# KiCad board output.Panel_R0.5.1_300x300_2layer_step1_Modified.kicad_pcb (continued)
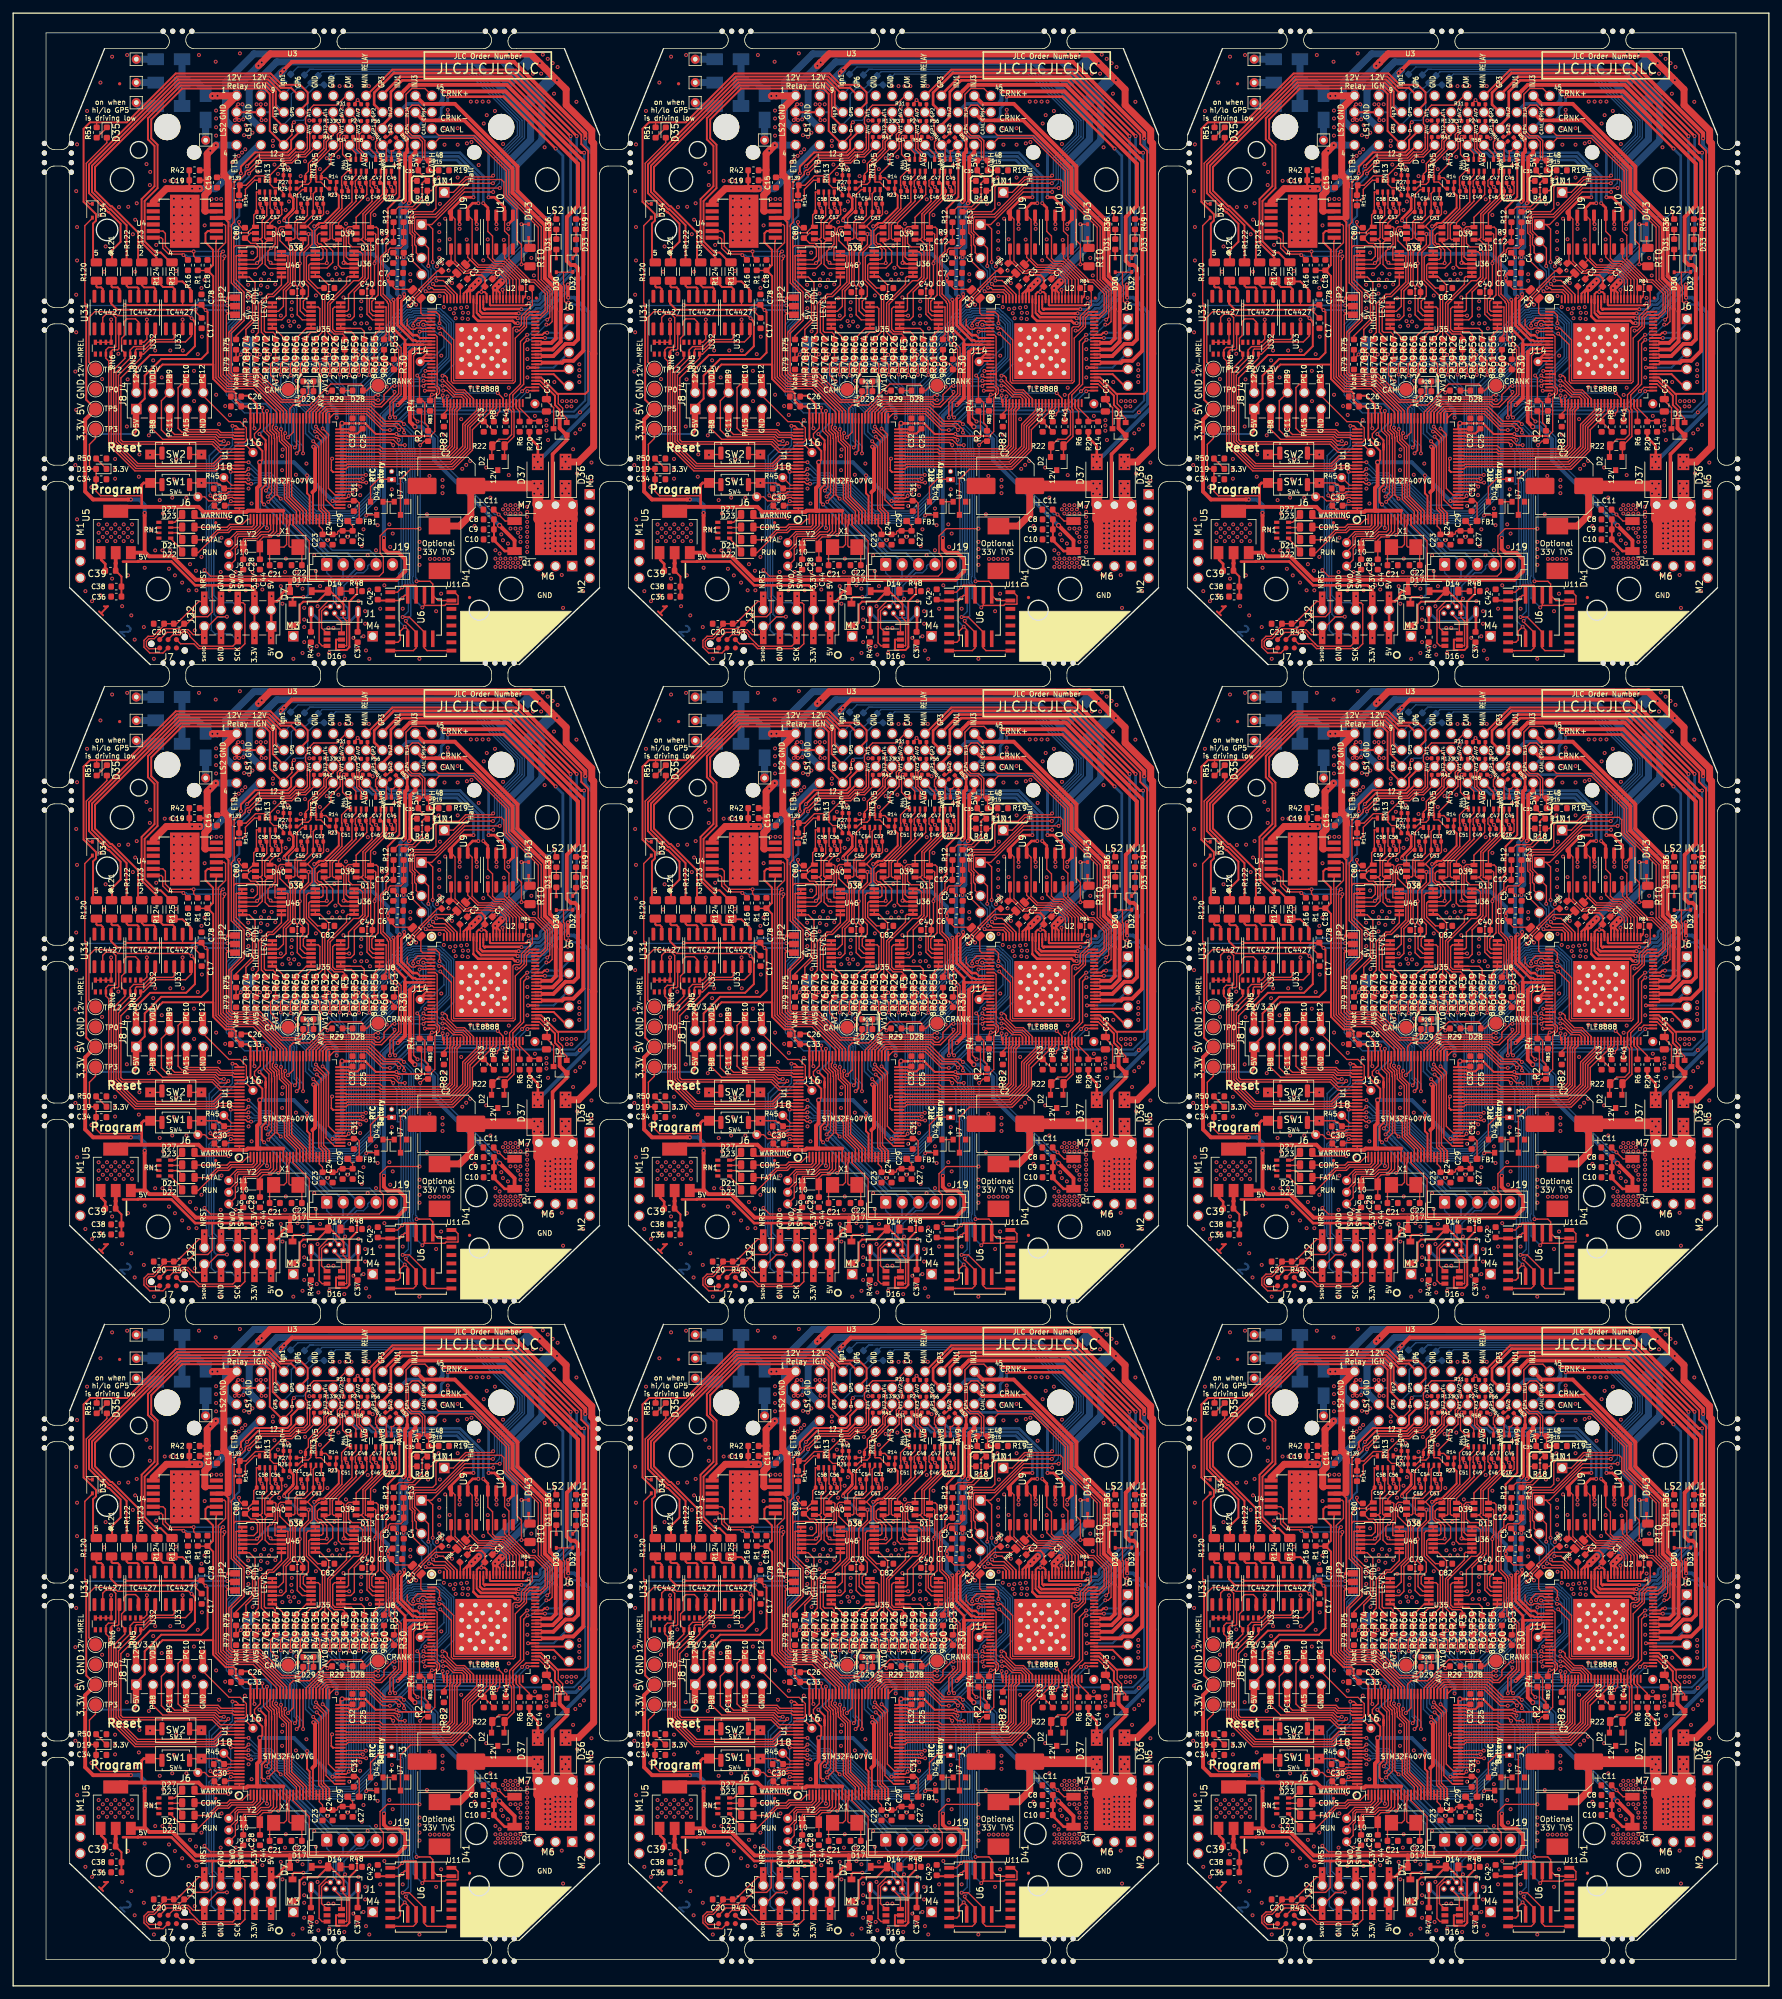
[diagram p0: board, top side]
## Routing (per net, layer and track width the routed paths; a pad name or vN(x,y) marks a point on that pad's centre or on a via; arc(x,y) is an arc through that point) (continued)
v1(153.9,134.3) v1(153.9,111.1) v1(153.9,108.8) v1(153.9,106.3) v1(153.9,37.3) v1(153.9,14.1) v1(153.9,11.8) v1(153.9,9.3) v1(154,280.2) v1(153.98,265.56) v1(154,255.3) v1(154.03,202.06) v1(154,183.2) v1(153.98,168.56) v1(154,158.3) v1(154.03,105.06) v1(154,86.2) v1(153.98,71.56) v1(154,61.3) v1(154.03,8.06) v1(154.2,254.41) v1(154.15,253.47) v1(154.2,157.41) v1(154.15,156.47) v1(154.2,60.41) v1(154.15,59.47) v1(154.5,231.9) v1(154.5,134.9) v1(154.5,37.9) v1(154.6,286.55) v1(154.56,243.16) v1(154.6,189.55) v1(154.56,146.16) v1(154.6,92.55) v1(154.56,49.16) v1(154.7,280.4) v1(154.7,183.4) v1(154.7,86.4) v1(155.17,222) v1(155.17,125) v1(155.17,28) v1(155.5,286.55) v1(155.5,267.2) v1(155.5,189.55) v1(155.5,170.2) v1(155.5,92.55) v1(155.5,73.2) v1(155.6,243.16) v1(155.6,146.16) v1(155.6,49.16) v1(155.8,276.9) v1(155.8,179.9) v1(155.8,82.9) v1(156.4,286.55) v1(156.4,189.55) v1(156.4,92.55) v1(156.49,262.42) v1(156.49,165.42) v1(156.49,68.42) v1(156.57,283.22) v1(156.57,186.22) v1(156.57,89.22) v1(156.95,230.89) v1(156.95,133.89) v1(156.95,36.89) v1(157.02,284.49) v1(157,243.16) v1(157.02,187.49) v1(157,146.16) v1(157.02,90.49) v1(157,49.16) v1(157.18,265.59) v1(157.18,168.59) v1(157.18,71.59) v1(157.3,286.55) v1(157.3,189.55) v1(157.3,92.55) v1(157.58,226.32) v1(157.58,129.32) v1(157.58,32.32) v1(158.27,285.12) v1(158.34,218.32) v1(158.34,217.05) v1(158.34,215.78) v1(158.27,188.12) v1(158.34,121.32) v1(158.34,120.05) v1(158.34,118.78) v1(158.27,91.12) v1(158.34,24.32) v1(158.34,23.05) v1(158.34,21.78) v1(158.5,267.2) v1(158.5,170.2) v1(158.5,73.2) v1(158.6,243.11) v1(158.6,146.11) v1(158.6,49.11) v1(158.72,216.42) v1(158.72,119.42) v1(158.72,22.42) v1(158.98,217.81) v1(158.98,120.81) v1(158.98,23.81) v1(159.11,217.05) v1(159.11,215.78) v1(159.11,120.05) v1(159.11,118.78) v1(159.11,23.05) v1(159.11,21.78) v1(159.23,220.73) v1(159.23,123.73) v1(159.23,26.73) v1(159.3,203.3) v1(159.3,106.3) v1(159.3,9.3) v1(159.5,280.1) v1(159.49,224.54) v1(159.49,219.84) v1(159.49,216.42) v1(159.5,183.1) v1(159.49,127.54) v1(159.49,122.84) v1(159.49,119.42) v1(159.5,86.1) v1(159.49,30.54) v1(159.49,25.85) v1(159.49,22.42) v1(159.61,265.51) v1(159.61,168.51) v1(159.61,71.51) v1(159.92,241.94) v1(159.87,225.18) v1(159.87,223.91) v1(159.87,217.05) v1(159.87,215.78) v1(159.92,144.94) v1(159.87,128.18) v1(159.87,126.91) v1(159.87,120.05) v1(159.87,118.78) v1(159.92,47.94) v1(159.87,31.18) v1(159.87,29.91) v1(159.87,23.05) v1(159.87,21.78) v1(160.25,224.54) v1(160.25,219.34) v1(160.25,216.42) v1(160.25,127.54) v1(160.25,122.34) v1(160.25,119.42) v1(160.25,30.54) v1(160.25,25.34) v1(160.25,22.42) v1(160.3,267.2) v1(160.3,170.2) v1(160.3,73.2) v1(160.38,243.04) v1(160.38,229.75) v1(160.38,146.04) v1(160.38,132.75) v1(160.38,49.04) v1(160.38,35.75) v1(160.63,225.18) v1(160.63,223.91) v1(160.63,221.62) v1(160.63,217.05) v1(160.63,215.78) v1(160.63,128.18) v1(160.63,126.91) v1(160.63,124.62) v1(160.63,120.05) v1(160.63,118.78) v1(160.63,31.18) v1(160.63,29.91) v1(160.63,27.62) v1(160.63,23.05) v1(160.63,21.78) v1(161.01,224.54) v1(161.01,216.42) v1(161.01,127.54) v1(161.01,119.42) v1(161.01,30.54) v1(161.01,22.42) v1(161.39,225.18) v1(161.39,223.91) v1(161.39,221.62) v1(161.39,217.05) v1(161.39,215.78) v1(161.39,128.18) v1(161.39,126.91) v1(161.39,124.62) v1(161.39,120.05) v1(161.39,118.78) v1(161.39,31.18) v1(161.39,29.91) v1(161.39,27.62) v1(161.39,23.05) v1(161.39,21.78) v1(161.77,224.54) v1(161.77,220.99) v1(161.77,216.42) v1(161.77,127.54) v1(161.77,123.99) v1(161.77,119.42) v1(161.77,30.54) v1(161.77,26.99) v1(161.77,22.42) v1(161.9,205.7) v1(161.9,108.7) v1(161.9,11.7) v1(162.15,225.18) v1(162.15,223.91) v1(162.15,221.62) v1(162.15,220.35) v1(162.15,219.59) v1(162.15,217.05) v1(162.15,215.78) v1(162.15,128.18) v1(162.15,126.91) v1(162.15,124.62) v1(162.15,123.35) v1(162.15,122.59) v1(162.15,120.05) v1(162.15,118.78) v1(162.15,31.18) v1(162.15,29.91) v1(162.15,27.62) v1(162.15,26.35) v1(162.15,25.59) v1(162.15,23.05) v1(162.15,21.78) v1(163.2,248.9) v1(163.2,247.4) v1(163.2,244.6) v1(163.17,224.93) v1(163.17,224.16) v1(163.17,223.4) v1(163.17,222.64) v1(163.17,221.88) v1(163.17,221.12) v1(163.17,220.35) v1(163.17,219.59) v1(163.17,218.83) v1(163.17,218.07) v1(163.2,151.9) v1(163.2,150.4) v1(163.2,147.6) v1(163.17,127.93) v1(163.17,127.16) v1(163.17,126.4) v1(163.17,125.64) v1(163.17,124.88) v1(163.17,124.12) v1(163.17,123.35) v1(163.17,122.59) v1(163.17,121.83) v1(163.17,121.07) v1(163.2,54.9) v1(163.2,53.4) v1(163.2,50.6) v1(163.17,30.93) v1(163.17,30.16) v1(163.17,29.4) v1(163.17,28.64) v1(163.17,27.88) v1(163.17,27.12) v1(163.17,26.35) v1(163.17,25.59) v1(163.17,24.83) v1(163.17,24.07) v1(163.4,256.7) v1(163.4,159.7) v1(163.4,62.7) v1(163.81,262.77) v1(163.81,165.77) v1(163.81,68.77) v1(164.05,290.8) v1(164.05,193.8) v1(164.05,96.8) v1(164.19,260.1) v1(164.19,163.1) v1(164.19,66.1) v1(164.35,238.75) v1(164.35,141.75) v1(164.35,44.75) v1(164.6,208.2) v1(164.6,111.2) v1(164.6,14.2) v1(165.3,290.8) v1(165.3,193.8) v1(165.3,96.8) v1(165.55,293.7) v1(165.63,214.56) v1(165.55,196.7) v1(165.63,117.56) v1(165.55,99.7) v1(165.63,20.56) v1(165.82,279.6) v1(165.82,182.6) v1(165.82,85.6) v1(166.1,238.1) v1(166.1,237.3) v1(166.1,236.5) v1(166.1,141.1) v1(166.1,140.3) v1(166.1,139.5) v1(166.1,44.1) v1(166.1,43.3) v1(166.1,42.5) v1(166.3,293.05) v1(166.34,235.08) v1(166.3,196.05) v1(166.34,138.09) v1(166.3,99.05) v1(166.34,41.08) v1(166.9,214.56) v1(166.9,117.56) v1(166.9,20.56) v1(167.05,292.4) v1(167.05,195.4) v1(167.05,98.4) v1(167.25,287.75) v1(167.25,190.75) v1(167.25,93.75) v1(167.3,243.9) v1(167.3,146.9) v1(167.3,49.9) v1(167.8,291.8) v1(167.8,194.8) v1(167.8,97.8) v1(168.43,214.56) v1(168.43,117.56) v1(168.43,20.56) v1(168.5,241) v1(168.5,144) v1(168.5,47) v1(168.63,209.56) v1(168.63,112.56) v1(168.63,15.56) v1(169.2,241) v1(169.2,240.2) v1(169.2,144) v1(169.2,143.2) v1(169.2,47) v1(169.2,46.2) v1(169.34,255.02) v1(169.34,158.02) v1(169.34,61.02) v1(169.9,241) v1(169.9,240.2) v1(169.9,144) v1(169.9,143.2) v1(169.9,47) v1(169.9,46.2) v1(170.16,233.69) v1(170.16,136.69) v1(170.16,39.69) v1(170.5,236.1) v1(170.5,139.1) v1(170.5,42.1) v1(170.6,241) v1(170.6,144) v1(170.6,47) v1(170.66,286.52) v1(170.66,189.52) v1(170.66,92.52) v1(170.79,230) v1(170.79,133) v1(170.79,36) v1(171.1,246.6) v1(171.1,245.7) v1(171.1,244.8) v1(171.1,243.9) v1(171.1,149.6) v1(171.1,148.7) v1(171.1,147.8) v1(171.1,146.9) v1(171.1,52.6) v1(171.1,51.7) v1(171.1,50.8) v1(171.1,49.9) v1(171.2,236.7) v1(171.2,139.7) v1(171.2,42.7) v1(171.68,212.1) v1(171.68,115.1) v1(171.68,18.1) v1(171.8,237.4) v1(171.8,140.4) v1(171.8,43.4) v1(172.95,231.66) v1(172.95,228.86) v1(172.95,134.66) v1(172.95,131.86) v1(172.95,37.66) v1(172.95,34.86) v1(179.46,245.5) v1(179.46,231.28) v1(179.46,148.5) v1(179.46,134.28) v1(179.46,51.5) v1(179.46,37.27) v1(179.59,272.93) v1(179.59,257.18) v1(179.59,251.47) v1(179.59,239.66) v1(179.59,175.93) v1(179.59,160.18) v1(179.59,154.47) v1(179.59,142.66) v1(179.59,78.93) v1(179.59,63.18) v1(179.59,57.47) v1(179.59,45.66) v1(179.72,280.04) v1(179.72,267.47) v1(179.72,262.39) v1(179.72,223.02) v1(179.72,183.04) v1(179.72,170.47) v1(179.72,165.39) v1(179.72,126.02) v1(179.72,86.04) v1(179.72,73.47) v1(179.72,68.39) v1(179.72,29.02) v1(180.99,212.1) v1(180.99,115.1) v1(180.99,18.1) v1(181.24,285.12) v1(181.24,188.12) v1(181.24,91.12) v1(181.9,227.9) v1(181.9,130.9) v1(181.9,33.9) v1(182,210.57) v1(182,113.57) v1(182,16.57) v1(183.25,269.3) v1(183.25,172.3) v1(183.25,75.3) v1(183.27,289.44) v1(183.27,211.46) v1(183.27,192.44) v1(183.27,114.46) v1(183.27,95.44) v1(183.27,17.46) v1(183.53,244.36) v1(183.53,147.36) v1(183.53,50.36) v1(183.86,260.69) v1(183.86,163.69) v1(183.86,66.69) v1(184.06,264.52) v1(184.06,167.52) v1(184.06,70.52) v1(185.05,293.38) v1(185.05,214) v1(185.05,196.38) v1(185.05,117) v1(185.05,99.38) v1(185.05,20) v1(185.5,232.2) v1(185.5,230.7) v1(185.5,229.2) v1(185.5,135.2) v1(185.5,133.7) v1(185.5,132.2) v1(185.5,38.2) v1(185.5,36.7) v1(185.5,35.2) v1(186,248.2) v1(186,151.2) v1(186,54.2) v1(186.1,270.5) v1(186.1,173.5) v1(186.1,76.5) v1(186.57,209.81) v1(186.57,112.81) v1(186.57,15.81) v1(187.34,293.63) v1(187.29,237.14) v1(187.34,196.63) v1(187.29,140.14) v1(187.34,99.63) v1(187.29,43.14) v1(187.41,244.31) v1(187.41,147.31) v1(187.41,50.31) v1(187.5,270.55) v1(187.46,214.51) v1(187.5,173.55) v1(187.46,117.51) v1(187.5,76.55) v1(187.46,20.51) v1(187.97,208.42) v1(187.97,111.41) v1(187.97,14.42) v1(188.2,266.38) v1(188.2,169.38) v1(188.2,72.38) v1(188.4,233.6) v1(188.4,136.6) v1(188.4,39.6) v1(188.48,204.73) v1(188.48,107.73) v1(188.48,10.73) v1(188.56,268.59) v1(188.56,260.69) v1(188.61,227.34) v1(188.56,171.59) v1(188.56,163.69) v1(188.61,130.34) v1(188.56,74.59) v1(188.56,66.69) v1(188.61,33.34) v1(188.79,271.09) v1(188.79,174.09) v1(188.79,77.09) v1(189.12,229.5) v1(189.12,132.5) v1(189.12,35.5) v1(189.2,232.9) v1(189.2,135.9) v1(189.2,38.9) v1(189.88,206.64) v1(189.88,109.64) v1(189.88,12.64) v1(190,215.65) v1(190,118.65) v1(190,21.65) v1(190.28,277.04) v1(190.28,180.04) v1(190.28,83.04) v1(190.64,235.8) v1(190.64,138.8) v1(190.64,41.8) v1(190.84,275.86) v1(190.79,273.86) v1(190.84,178.86) v1(190.79,176.86) v1(190.84,81.86) v1(190.79,79.86) v1(191,221.4) v1(191,124.4) v1(191,27.4) v1(191.3,247.2) v1(191.3,150.2) v1(191.3,53.2) v1(191.4,201.81) v1(191.4,104.81) v1(191.4,7.81) v1(191.6,248.7) v1(191.6,218.3) v1(191.6,151.7) v1(191.6,121.3) v1(191.6,54.7) v1(191.6,24.3) v1(191.76,264.75) v1(191.76,167.75) v1(191.76,70.75) v1(192.29,225.94) v1(192.29,128.94) v1(192.29,31.94) v1(192.59,244.61) v1(192.59,147.61) v1(192.59,50.61) v1(192.7,218.3) v1(192.7,121.3) v1(192.7,24.3) v1(192.8,223.91) v1(192.8,126.91) v1(192.8,29.91) v1(193.05,274.5) v1(193.05,177.5) v1(193.05,80.5) v1(193.7,215.5) v1(193.7,118.5) v1(193.7,21.5) v1(193.95,274.5) v1(193.9,248.7) v1(193.9,218.3) v1(193.95,177.5) v1(193.9,151.7) v1(193.9,121.3) v1(193.95,80.5) v1(193.9,54.7) v1(193.9,24.3) v1(194.19,226.32) v1(194.19,129.32) v1(194.19,32.32) v1(194.45,271.79) v1(194.45,270.52) v1(194.45,269.25) v1(194.45,267.98) v1(194.45,266.71) v1(194.45,265.44) v1(194.45,229.12) v1(194.45,174.79) v1(194.45,173.52) v1(194.45,172.25) v1(194.45,170.98) v1(194.45,169.71) v1(194.45,168.44) v1(194.45,132.12) v1(194.45,77.79) v1(194.45,76.52) v1(194.45,75.25) v1(194.45,73.98) v1(194.45,72.71) v1(194.45,71.44) v1(194.45,35.12) v1(194.6,214.5) v1(194.6,117.5) v1(194.6,20.5) v1(194.8,274.5) v1(194.78,260.79) v1(194.83,232.16) v1(194.8,177.5) v1(194.78,163.79) v1(194.83,135.16) v1(194.8,80.5) v1(194.78,66.79) v1(194.83,38.16) v1(195.7,274.5) v1(195.72,271.79) v1(195.72,270.52) v1(195.72,269.25) v1(195.72,267.98) v1(195.72,266.71) v1(195.72,265.44) v1(195.7,213.4) v1(195.7,177.5) v1(195.72,174.79) v1(195.72,173.52) v1(195.72,172.25) v1(195.72,170.98) v1(195.72,169.71) v1(195.72,168.44) v1(195.7,116.4) v1(195.7,80.5) v1(195.72,77.79) v1(195.72,76.52) v1(195.72,75.25) v1(195.72,73.98) v1(195.72,72.71) v1(195.72,71.44) v1(195.7,19.4) v1(195.8,248.7) v1(195.8,151.7) v1(195.8,54.7) v1(196.35,226.32) v1(196.35,129.32) v1(196.35,32.32) v1(196.7,212.22) v1(196.7,115.22) v1(196.7,18.23) v1(196.9,216.2) v1(196.9,119.2) v1(196.9,22.2) v1(196.99,271.79) v1(196.99,270.52) v1(196.99,269.25) v1(196.99,267.98) v1(196.99,266.71) v1(196.99,265.44) v1(196.99,174.79) v1(196.99,173.52) v1(196.99,172.25) v1(196.99,170.98) v1(196.99,169.71) v1(196.99,168.44) v1(196.99,77.79) v1(196.99,76.52) v1(196.99,75.25) v1(196.99,73.98) v1(196.99,72.71) v1(196.99,71.44) v1(197.5,245.6) v1(197.52,241) v1(197.5,208.92) v1(197.5,148.6) v1(197.52,144) v1(197.5,111.92) v1(197.5,51.6) v1(197.52,47) v1(197.5,14.92) v1(197.62,206.13) v1(197.62,109.13) v1(197.62,12.13) v1(197.8,215.2) v1(197.8,118.2) v1(197.8,21.2) v1(197.88,212.22) v1(197.88,115.22) v1(197.88,18.23) v1(198.08,248.14) v1(198.08,151.14) v1(198.08,54.14) v1(198.26,293.63) v1(198.26,196.63) v1(198.26,99.63) v1(198.64,258.2) v1(198.64,217.31) v1(198.64,161.2) v1(198.64,120.31) v1(198.64,64.2) v1(198.64,23.31) v1(198.7,250.8) v1(198.7,153.8) v1(198.7,56.8) v1(198.87,237.4) v1(198.87,140.4) v1(198.87,43.4) v1(199.12,267.72) v1(199.1,259.44) v1(199.12,170.72) v1(199.1,162.44) v1(199.12,73.72) v1(199.1,65.44) v1(200.16,271.74) v1(200.16,174.74) v1(200.16,77.74) v1(200.8,292.62) v1(200.8,195.62) v1(200.8,98.62) v1(200.86,285.19) v1(200.86,283.98) v1(200.86,282.65) v1(200.86,281.38) v1(200.93,271.74) v1(200.88,241.97) v1(200.86,188.19) v1(200.86,186.98) v1(200.86,185.65) v1(200.86,184.38) v1(200.93,174.74) v1(200.88,144.97) v1(200.86,91.19) v1(200.86,89.98) v1(200.86,88.65) v1(200.86,87.38) v1(200.93,77.74) v1(200.88,47.97) v1(201.31,237.5) v1(201.31,140.5) v1(201.31,43.5) v1(201.64,271.74) v1(201.56,215.02) v1(201.62,204.99) v1(201.56,201.81) v1(201.64,174.74) v1(201.56,118.02) v1(201.62,107.99) v1(201.56,104.81) v1(201.64,77.74) v1(201.56,21.02) v1(201.62,10.99) v1(201.56,7.81) v1(201.69,220.23) v1(201.69,211.34) v1(201.69,123.23) v1(201.69,114.34) v1(201.69,26.23) v1(201.69,17.34) v1(202.25,240.25) v1(202.25,143.25) v1(202.25,46.25) v1(202.9,212.22) v1(202.9,115.22) v1(202.9,18.23) v1(202.96,238.89) v1(202.96,141.9) v1(202.96,44.89) v1(203.3,277.3) v1(203.3,180.3) v1(203.3,83.3) v1(203.8,277.8) v1(203.85,215.02) v1(203.8,180.8) v1(203.85,118.02) v1(203.8,83.8) v1(203.85,21.02) v1(204,223.1) v1(204,126.1) v1(204,29.1) v1(204.3,278.3) v1(204.3,181.3) v1(204.3,84.3) v1(204.48,293.89) v1(204.48,196.89) v1(204.48,99.89) v1(204.8,278.8) v1(204.8,181.8) v1(204.8,84.8) v1(205.12,281.44) v1(205.12,184.44) v1(205.12,87.44) v1(205.24,238.13) v1(205.24,141.13) v1(205.24,44.13) v1(205.3,279.3) v1(205.3,182.3) v1(205.3,85.3) v1(205.37,282.96) v1(205.37,212.22) v1(205.37,185.96) v1(205.37,115.22) v1(205.37,88.96) v1(205.37,18.23) v1(205.62,282.2) v1(205.62,185.2) v1(205.62,88.2) v1(205.75,258.7) v1(205.75,256.73) v1(205.78,255.13) v1(205.75,253.73) v1(205.8,227.7) v1(205.75,216.16) v1(205.75,161.7) v1(205.75,159.73) v1(205.78,158.13) v1(205.75,156.73) v1(205.8,130.7) v1(205.75,119.16) v1(205.75,64.7) v1(205.75,62.73) v1(205.78,61.13) v1(205.75,59.73) v1(205.8,33.7) v1(205.75,22.16) v1(205.88,281.19) v1(205.88,184.19) v1(205.88,87.19) v1(206.26,225.43) v1(206.26,128.43) v1(206.26,31.43) v1(206.39,281.82) v1(206.36,263.58) v1(206.42,251.62) v1(206.39,215.02) v1(206.39,184.82) v1(206.36,166.58) v1(206.42,154.62) v1(206.39,118.02) v1(206.39,87.82) v1(206.36,69.58) v1(206.42,57.62) v1(206.39,21.02) v1(206.64,216.16) v1(206.64,119.16) v1(206.64,22.16) v1(206.79,260.31) v1(206.79,163.31) v1(206.79,66.31) v1(207.02,286.14) v1(207.02,189.14) v1(207.02,92.14) v1(207.15,212.99) v1(207.15,115.99) v1(207.15,18.99) v1(207.23,275.88) v1(207.23,178.88) v1(207.23,81.88) v1(207.63,257.36) v1(207.63,160.36) v1(207.63,63.36) v1(207.68,259.52) v1(207.68,258.61) v1(207.68,162.52) v1(207.68,161.61) v1(207.68,65.52) v1(207.68,64.61) v1(207.9,212.35) v1(207.9,115.35) v1(207.9,18.35) v1(208.16,260.41) v1(208.16,163.41) v1(208.16,66.41) v1(208.42,286.14) v1(208.42,283.73) v1(208.42,189.14) v1(208.42,186.73) v1(208.42,92.14) v1(208.42,89.73) v1(208.67,258.35) v1(208.67,161.35) v1(208.67,64.35) v1(208.9,259.44) v1(208.93,212.99) v1(208.9,162.44) v1(208.93,115.99) v1(208.9,65.44) v1(208.93,18.99) v1(209.18,215.02) v1(209.18,118.02) v1(209.18,21.02) v1(209.31,260.31) v1(209.31,163.31) v1(209.31,66.31) v1(209.5,280.6) v1(209.5,279.8) v1(209.5,183.6) v1(209.5,182.8) v1(209.5,86.6) v1(209.5,85.8) v1(209.74,276.97) v1(209.74,179.97) v1(209.74,82.97) v1(209.8,282.6) v1(209.8,185.6) v1(209.8,88.6) v1(209.87,258.76) v1(209.87,161.76) v1(209.87,64.76) v1(210.27,275.55) v1(210.27,178.55) v1(210.27,81.55) v1(210.45,268.23) v1(210.48,256.65) v1(210.45,171.23) v1(210.48,159.65) v1(210.45,74.23) v1(210.48,62.65) v1(210.7,254) v1(210.71,212.86) v1(210.7,157) v1(210.71,115.86) v1(210.7,60) v1(210.71,18.86) v1(210.9,266.96) v1(210.93,252.36) v1(210.9,232.65) v1(210.9,230.5) v1(210.9,169.96) v1(210.93,155.36) v1(210.9,135.65) v1(210.9,133.5) v1(210.9,72.96) v1(210.93,58.36) v1(210.9,38.65) v1(210.9,36.5) v1(210.99,233.63) v1(210.96,210.19) v1(210.99,136.63) v1(210.96,113.19) v1(210.99,39.63) v1(210.96,16.19) v1(211.14,273.82) v1(211.14,176.82) v1(211.14,79.82) v1(211.34,215.02) v1(211.34,118.02) v1(211.34,21.02) v1(211.44,270.06) v1(211.44,173.06) v1(211.44,76.06) v1(211.47,217.05) v1(211.47,120.05) v1(211.47,23.05) v1(211.77,276.54) v1(211.77,179.54) v1(211.77,82.54) v1(211.95,271.36) v1(211.9,253.17) v1(211.95,174.36) v1(211.9,156.17) v1(211.95,77.36) v1(211.9,59.17) v1(212.15,252.46) v1(212.15,155.46) v1(212.15,58.46) v1(212.31,254.97) v1(212.31,157.97) v1(212.31,60.97) v1(212.38,256.04) v1(212.4,254) v1(212.38,159.04) v1(212.4,157) v1(212.38,62.04) v1(212.4,60) v1(212.61,201.81) v1(212.61,104.81) v1(212.61,7.81) v1(212.74,253.09) v1(212.74,156.09) v1(212.74,59.09) v1(213,264.8) v1(213,229.8) v1(213,167.8) v1(213,132.8) v1(213,70.8) v1(213,35.8) v1(213.12,215.02) v1(213.12,118.02) v1(213.12,21.02) v1(213.25,212.99) v1(213.25,115.99) v1(213.25,18.99) v1(213.45,252.36) v1(213.45,155.36) v1(213.45,58.36) v1(213.73,275.22) v1(213.73,178.22) v1(213.73,81.22) v1(213.9,228.9) v1(213.9,131.9) v1(213.9,34.9) v1(214.01,212.48) v1(214.01,202.7) v1(214.01,115.48) v1(214.01,105.7) v1(214.01,18.48) v1(214.01,8.7) v1(214.26,209.56) v1(214.26,207.78) v1(214.26,206.64) v1(214.26,204.35) v1(214.26,112.56) v1(214.26,110.78) v1(214.26,109.64) v1(214.26,107.35) v1(214.26,15.56) v1(214.26,13.78) v1(214.26,12.64) v1(214.26,10.35) v1(214.39,277.48) v1(214.39,180.48) v1(214.39,83.48) v1(214.6,231.5) v1(214.6,134.5) v1(214.6,37.5) v1(215.28,203.34) v1(215.28,106.34) v1(215.28,9.33) v1(215.78,217.56) v1(215.78,120.56) v1(215.78,23.56) v1(216.04,257.06) v1(216.04,215.15) v1(216.04,160.06) v1(216.04,118.15) v1(216.04,63.06) v1(216.04,21.15) v1(216.17,203.72) v1(216.17,106.72) v1(216.17,9.72) v1(216.29,209.81) v1(216.29,112.81) v1(216.29,15.81) v1(216.42,202.45) v1(216.42,105.45) v1(216.42,8.45) v1(216.65,276.28) v1(216.65,179.28) v1(216.65,82.28) v1(216.67,212.86) v1(216.67,115.86) v1(216.67,18.86) v1(217.69,277.93) v1(217.69,180.93) v1(217.69,83.93) v1(217.79,269.71) v1(217.82,219.84) v1(217.79,172.71) v1(217.82,122.84) v1(217.79,75.71) v1(217.82,25.85) v1(217.94,206.51) v1(217.94,109.51) v1(217.94,12.51) v1(217.97,260.23) v1(217.97,163.23) v1(217.97,66.23) v1(218.07,202.7) v1(218.07,105.7) v1(218.07,8.7) v1(218.4,272.32) v1(218.4,175.32) v1(218.4,78.32) v1(218.53,259.47) v1(218.53,162.47) v1(218.53,65.47) v1(218.7,288.9) v1(218.71,206.51) v1(218.7,191.9) v1(218.71,109.51) v1(218.7,94.9) v1(218.71,12.51) v1(218.85,264.55) v1(218.85,167.55) v1(218.85,70.55) v1(219.01,261.27) v1(219.01,164.27) v1(219.01,67.27) v1(219.21,260.31) v1(219.21,163.31) v1(219.21,66.31) v1(219.47,278.14) v1(219.47,181.14) v1(219.47,84.14) v1(219.65,288.9) v1(219.67,259.47) v1(219.65,191.9) v1(219.67,162.47) v1(219.65,94.9) v1(219.67,65.47) v1(219.98,285.76) v1(219.98,188.76) v1(219.98,91.76) v1(220.13,260.38) v1(220.13,163.38) v1(220.13,66.38) v1(220.23,256.78) v1(220.23,159.78) v1(220.23,62.78) v1(220.36,202.19) v1(220.36,105.19) v1(220.36,8.19) v1(220.55,288.9) v1(220.61,267.98) v1(220.55,191.9) v1(220.61,170.98) v1(220.55,94.9) v1(220.61,73.98) v1(220.87,220.35) v1(220.87,123.35) v1(220.87,26.35) v1(221.1,254) v1(221.12,225.05) v1(221.1,157) v1(221.12,128.05) v1(221.1,60) v1(221.12,31.05) v1(221.45,288.9) v1(221.45,191.9) v1(221.45,94.9) v1(221.75,204.99) v1(221.75,107.99) v1(221.75,10.99) v1(221.96,252.81) v1(221.96,155.81) v1(221.96,58.81) v1(222.39,285.25) v1(222.39,203.34) v1(222.39,188.25) v1(222.39,106.34) v1(222.39,91.25) v1(222.39,9.33) v1(222.52,210.57) v1(222.52,113.57) v1(222.52,16.57) v1(222.77,226.7) v1(222.77,129.7) v1(222.77,32.7) v1(222.95,256.19) v1(222.87,255.07) v1(222.9,254) v1(222.95,252.81) v1(222.95,159.19) v1(222.87,158.07) v1(222.9,157) v1(222.95,155.81) v1(222.95,62.19) v1(222.87,61.07) v1(222.9,60) v1(222.95,58.81) v1(223.02,218.96) v1(223.02,121.96) v1(223.02,24.96) v1(223.28,221.5) v1(223.28,205.24) v1(223.28,124.5) v1(223.28,108.24) v1(223.28,27.5) v1(223.28,11.24) v1(223.4,288.9) v1(223.4,191.9) v1(223.4,94.9) v1(223.53,209.05) v1(223.53,207.14) v1(223.53,112.05) v1(223.53,110.15) v1(223.53,15.05) v1(223.53,13.14) v1(223.66,203.08) v1(223.66,106.08) v1(223.66,9.08) v1(223.79,252.84) v1(223.79,155.84) v1(223.79,58.84) v1(223.94,271.69) v1(223.91,217.56) v1(223.94,174.69) v1(223.91,120.56) v1(223.94,77.69) v1(223.91,23.56) v1(224.1,288.9) v1(224.1,191.9) v1(224.1,94.9) v1(224.17,212.35) v1(224.17,201.81) v1(224.17,115.35) v1(224.17,104.81) v1(224.17,18.35) v1(224.17,7.81) v1(224.27,252.05) v1(224.27,155.05) v1(224.27,58.05) v1(224.95,269.3) v1(224.95,172.3) v1(224.95,75.3) v1(225.18,224.67) v1(225.18,218.32) v1(225.18,127.67) v1(225.18,121.32) v1(225.18,30.67) v1(225.18,24.32) v1(225.44,222.13) v1(225.44,125.13) v1(225.44,28.13) v1(225.82,209.43) v1(225.82,112.43) v1(225.82,15.43) v1(226.15,266.43) v1(226.15,169.43) v1(226.15,72.43) v1(226.45,212.99) v1(226.45,115.99) v1(226.45,18.99) v1(227.21,222.26) v1(227.21,125.26) v1(227.21,28.26) v1(227.27,271.58) v1(227.34,218.83) v1(227.27,174.58) v1(227.34,121.83) v1(227.27,77.58) v1(227.34,24.83) v1(227.6,227.59) v1(227.6,130.59) v1(227.6,33.59) v1(227.72,220.86) v1(227.72,123.86) v1(227.72,26.86) v1(227.98,276.87) v1(227.98,179.87) v1(227.98,82.87) v1(229.25,209.43) v1(229.25,112.43) v1(229.25,15.43) v1(230.4,260.3) v1(230.4,259.3) v1(230.4,163.3) v1(230.4,162.3) v1(230.4,66.3) v1(230.4,65.3) v1(231.28,255.66) v1(231.28,158.66) v1(231.28,61.66) v1(231.5,235) v1(231.5,138) v1(231.5,41) v1(231.8,219.6) v1(231.8,218.5) v1(231.8,217.3) v1(231.8,216.1) v1(231.79,201.81) v1(231.8,122.6) v1(231.8,121.5) v1(231.8,120.3) v1(231.8,119.1) v1(231.79,104.81) v1(231.8,25.6) v1(231.8,24.5) v1(231.8,23.3) v1(231.8,22.1) v1(231.79,7.81) v1(232.93,223.78) v1(232.93,126.78) v1(232.93,29.78) v1(233.1,271) v1(233.1,174) v1(233.1,77) v1(233.31,229.62) v1(233.31,132.62) v1(233.31,35.62) v1(233.4,237.9) v1(233.4,217) v1(233.4,140.9) v1(233.4,120) v1(233.4,43.9) v1(233.4,23) v1(234.1,217) v1(234.1,120) v1(234.1,23) v1(234.33,209.05) v1(234.33,112.05) v1(234.33,15.05) v1(234.45,261.5) v1(234.45,164.5) v1(234.45,67.5) v1(234.7,275) v1(234.7,178) v1(234.7,81) v1(234.8,267.9) v1(234.8,266.7) v1(234.8,265.4) v1(234.8,264.1) v1(234.8,262.8) v1(234.8,217) v1(234.8,170.9) v1(234.8,169.7) v1(234.8,168.4) v1(234.8,167.1) v1(234.8,165.8) v1(234.8,120) v1(234.8,73.9) v1(234.8,72.7) v1(234.8,71.4) v1(234.8,70.1) v1(234.8,68.8) v1(234.8,23) v1(234.9,271) v1(234.86,256.98) v1(234.9,174) v1(234.86,159.98) v1(234.9,77) v1(234.86,62.98) v1(235.11,247.91) v1(235.09,211.72) v1(235.11,150.91) v1(235.09,114.72) v1(235.11,53.91) v1(235.09,17.72) v1(235.17,262.03) v1(235.17,165.03) v1(235.17,68.03) v1(235.3,229) v1(235.3,228) v1(235.3,227) v1(235.3,132) v1(235.3,131) v1(235.3,130) v1(235.3,35) v1(235.3,34) v1(235.3,33) v1(235.5,255.3) v1(235.5,235.9) v1(235.5,234.5) v1(235.5,217) v1(235.5,158.3) v1(235.5,138.9) v1(235.5,137.5) v1(235.5,120) v1(235.5,61.3) v1(235.5,41.9) v1(235.5,40.5) v1(235.5,23) v1(235.6,282.5) v1(235.6,280) v1(235.6,185.5) v1(235.6,183) v1(235.6,88.5) v1(235.6,86) v1(235.7,268.74) v1(235.7,171.74) v1(235.7,74.74) v1(236.1,285.3) v1(236.1,284.6) v1(236.1,188.3) v1(236.1,187.6) v1(236.1,91.3) v1(236.1,90.6) v1(236.23,260.87) v1(236.2,217) v1(236.23,163.87) v1(236.2,120) v1(236.23,66.87) v1(236.2,23) v1(236.38,265.62) v1(236.44,255) v1(236.38,168.62) v1(236.44,158) v1(236.38,71.62) v1(236.44,61) v1(236.74,258.96) v1(236.74,161.96) v1(236.74,64.96) v1(237.02,254.36) v1(237.02,157.36) v1(237.02,60.36) v1(237.25,255.1) v1(237.25,158.1) v1(237.25,61.1) v1(237.3,253.6) v1(237.3,156.6) v1(237.3,59.6) v1(237.6,282.5) v1(237.6,280) v1(237.6,275) v1(237.6,185.5) v1(237.6,183) v1(237.6,178) v1(237.6,88.5) v1(237.6,86) v1(237.6,81) v1(237.9,267.2) v1(237.9,170.2) v1(237.9,73.2) v1(238.14,255.2) v1(238.14,238.26) v1(238.14,158.2) v1(238.14,141.26) v1(238.14,61.2) v1(238.14,44.26) v1(238.31,253.58) v1(238.3,230.7) v1(238.31,156.58) v1(238.3,133.7) v1(238.31,59.58) v1(238.3,36.7) v1(238.39,254.44) v1(238.39,157.44) v1(238.39,60.44) v1(238.9,231.3) v1(238.9,208.1) v1(238.9,205.8) v1(238.9,203.3) v1(238.9,134.3) v1(238.9,111.1) v1(238.9,108.8) v1(238.9,106.3) v1(238.9,37.3) v1(238.9,14.1) v1(238.9,11.8) v1(238.9,9.3) v1(239,280.2) v1(238.98,265.56) v1(239,255.3) v1(239.03,202.06) v1(239,183.2) v1(238.98,168.56) v1(239,158.3) v1(239.03,105.06) v1(239,86.2) v1(238.98,71.56) v1(239,61.3) v1(239.03,8.06) v1(239.2,254.41) v1(239.15,253.47) v1(239.2,157.41) v1(239.15,156.47) v1(239.2,60.41) v1(239.15,59.47) v1(239.5,231.9) v1(239.5,134.9) v1(239.5,37.9) v1(239.6,286.55) v1(239.56,243.16) v1(239.6,189.55) v1(239.56,146.16) v1(239.6,92.55) v1(239.56,49.16) v1(239.7,280.4) v1(239.7,183.4) v1(239.7,86.4) v1(240.17,222) v1(240.17,125) v1(240.17,28) v1(240.5,286.55) v1(240.5,267.2) v1(240.5,189.55) v1(240.5,170.2) v1(240.5,92.55) v1(240.5,73.2) v1(240.6,243.16) v1(240.6,146.16) v1(240.6,49.16) v1(240.8,276.9) v1(240.8,179.9) v1(240.8,82.9) v1(241.4,286.55) v1(241.4,189.55) v1(241.4,92.55) v1(241.49,262.42) v1(241.49,165.42) v1(241.49,68.42) v1(241.57,283.22) v1(241.57,186.22) v1(241.57,89.22) v1(241.95,230.89) v1(241.95,133.89) v1(241.95,36.89) v1(242.02,284.49) v1(242,243.16) v1(242.02,187.49) v1(242,146.16) v1(242.02,90.49) v1(242,49.16) v1(242.18,265.59) v1(242.18,168.59) v1(242.18,71.59) v1(242.3,286.55) v1(242.3,189.55) v1(242.3,92.55) v1(242.58,226.32) v1(242.58,129.32) v1(242.58,32.32) v1(243.27,285.12) v1(243.34,218.32) v1(243.34,217.05) v1(243.34,215.78) v1(243.27,188.12) v1(243.34,121.32) v1(243.34,120.05) v1(243.34,118.78) v1(243.27,91.12) v1(243.34,24.32) v1(243.34,23.05) v1(243.34,21.78) v1(243.5,267.2) v1(243.5,170.2) v1(243.5,73.2) v1(243.6,243.11) v1(243.6,146.11) v1(243.6,49.11) v1(243.73,216.42) v1(243.73,119.42) v1(243.73,22.42) v1(243.98,217.81) v1(243.98,120.81) v1(243.98,23.81) v1(244.11,217.05) v1(244.11,215.78) v1(244.11,120.05) v1(244.11,118.78) v1(244.11,23.05) v1(244.11,21.78) v1(244.23,220.73) v1(244.23,123.73) v1(244.23,26.73) v1(244.3,203.3) v1(244.3,106.3) v1(244.3,9.3) v1(244.5,280.1) v1(244.49,224.54) v1(244.49,219.84) v1(244.49,216.42) v1(244.5,183.1) v1(244.49,127.54) v1(244.49,122.84) v1(244.49,119.42) v1(244.5,86.1) v1(244.49,30.54) v1(244.49,25.85) v1(244.49,22.42) v1(244.61,265.51) v1(244.61,168.51) v1(244.61,71.51) v1(244.92,241.94) v1(244.87,225.18) v1(244.87,223.91) v1(244.87,217.05) v1(244.87,215.78) v1(244.92,144.94) v1(244.87,128.18) v1(244.87,126.91) v1(244.87,120.05) v1(244.87,118.78) v1(244.92,47.94) v1(244.87,31.18) v1(244.87,29.91) v1(244.87,23.05) v1(244.87,21.78) v1(245.25,224.54) v1(245.25,219.34) v1(245.25,216.42) v1(245.25,127.54) v1(245.25,122.34) v1(245.25,119.42) v1(245.25,30.54) v1(245.25,25.34) v1(245.25,22.42) v1(245.3,267.2) v1(245.3,170.2) v1(245.3,73.2) v1(245.38,243.04) v1(245.38,229.75) v1(245.38,146.04) v1(245.38,132.75) v1(245.38,49.04) v1(245.38,35.75) v1(245.63,225.18) v1(245.63,223.91) v1(245.63,221.62) v1(245.63,217.05) v1(245.63,215.78) v1(245.63,128.18) v1(245.63,126.91) v1(245.63,124.62) v1(245.63,120.05) v1(245.63,118.78) v1(245.63,31.18) v1(245.63,29.91) v1(245.63,27.62) v1(245.63,23.05) v1(245.63,21.78) v1(246.01,224.54) v1(246.01,216.42) v1(246.01,127.54) v1(246.01,119.42) v1(246.01,30.54) v1(246.01,22.42) v1(246.39,225.18) v1(246.39,223.91) v1(246.39,221.62) v1(246.39,217.05) v1(246.39,215.78) v1(246.39,128.18) v1(246.39,126.91) v1(246.39,124.62) v1(246.39,120.05) v1(246.39,118.78) v1(246.39,31.18) v1(246.39,29.91) v1(246.39,27.62) v1(246.39,23.05) v1(246.39,21.78) v1(246.77,224.54) v1(246.77,220.99) v1(246.77,216.42) v1(246.77,127.54) v1(246.77,123.99) v1(246.77,119.42) v1(246.77,30.54) v1(246.77,26.99) v1(246.77,22.42) v1(246.9,205.7) v1(246.9,108.7) v1(246.9,11.7) v1(247.15,225.18) v1(247.15,223.91) v1(247.15,221.62) v1(247.15,220.35) v1(247.15,219.59) v1(247.15,217.05) v1(247.15,215.78) v1(247.15,128.18) v1(247.15,126.91) v1(247.15,124.62) v1(247.15,123.35) v1(247.15,122.59) v1(247.15,120.05) v1(247.15,118.78) v1(247.15,31.18) v1(247.15,29.91) v1(247.15,27.62) v1(247.15,26.35) v1(247.15,25.59) v1(247.15,23.05) v1(247.15,21.78) v1(248.2,248.9) v1(248.2,247.4) v1(248.2,244.6) v1(248.17,224.93) v1(248.17,224.16) v1(248.17,223.4) v1(248.17,222.64) v1(248.17,221.88) v1(248.17,221.12) v1(248.17,220.35) v1(248.17,219.59) v1(248.17,218.83) v1(248.17,218.07) v1(248.2,151.9) v1(248.2,150.4) v1(248.2,147.6) v1(248.17,127.93) v1(248.17,127.16) v1(248.17,126.4) v1(248.17,125.64) v1(248.17,124.88) v1(248.17,124.12) v1(248.17,123.35) v1(248.17,122.59) v1(248.17,121.83) v1(248.17,121.07) v1(248.2,54.9) v1(248.2,53.4) v1(248.2,50.6) v1(248.17,30.93) v1(248.17,30.16) v1(248.17,29.4) v1(248.17,28.64) v1(248.17,27.88) v1(248.17,27.12) v1(248.17,26.35) v1(248.17,25.59) v1(248.17,24.83) v1(248.17,24.07) v1(248.4,256.7) v1(248.4,159.7) v1(248.4,62.7) v1(248.81,262.77) v1(248.81,165.77) v1(248.81,68.77) v1(249.05,290.8) v1(249.05,193.8) v1(249.05,96.8) v1(249.19,260.1) v1(249.19,163.1) v1(249.19,66.1) v1(249.35,238.75) v1(249.35,141.75) v1(249.35,44.75) v1(249.6,208.2) v1(249.6,111.2) v1(249.6,14.2) v1(250.3,290.8) v1(250.3,193.8) v1(250.3,96.8) v1(250.55,293.7) v1(250.63,214.56) v1(250.55,196.7) v1(250.63,117.56) v1(250.55,99.7) v1(250.63,20.56) v1(250.82,279.6) v1(250.82,182.6) v1(250.82,85.6) v1(251.1,238.1) v1(251.1,237.3) v1(251.1,236.5) v1(251.1,141.1) v1(251.1,140.3) v1(251.1,139.5) v1(251.1,44.1) v1(251.1,43.3) v1(251.1,42.5) v1(251.3,293.05) v1(251.35,235.08) v1(251.3,196.05) v1(251.35,138.09) v1(251.3,99.05) v1(251.35,41.08) v1(251.9,214.56) v1(251.9,117.56) v1(251.9,20.56) v1(252.05,292.4) v1(252.05,195.4) v1(252.05,98.4) v1(252.25,287.75) v1(252.25,190.75) v1(252.25,93.75) v1(252.3,243.9) v1(252.3,146.9) v1(252.3,49.9) v1(252.8,291.8) v1(252.8,194.8) v1(252.8,97.8) v1(253.43,214.56) v1(253.43,117.56) v1(253.43,20.56) v1(253.5,241) v1(253.5,144) v1(253.5,47) v1(253.63,209.56) v1(253.63,112.56) v1(253.63,15.56) v1(254.2,241) v1(254.2,240.2) v1(254.2,144) v1(254.2,143.2) v1(254.2,47) v1(254.2,46.2) v1(254.34,255.02) v1(254.34,158.02) v1(254.34,61.02) v1(254.9,241) v1(254.9,240.2) v1(254.9,144) v1(254.9,143.2) v1(254.9,47) v1(254.9,46.2) v1(255.15,233.69) v1(255.15,136.69) v1(255.15,39.69) v1(255.5,236.1) v1(255.5,139.1) v1(255.5,42.1) v1(255.6,241) v1(255.6,144) v1(255.6,47) v1(255.66,286.52) v1(255.66,189.52) v1(255.66,92.52) v1(255.79,230) v1(255.79,133) v1(255.79,36) v1(256.1,246.6) v1(256.1,245.7) v1(256.1,244.8) v1(256.1,243.9) v1(256.1,149.6) v1(256.1,148.7) v1(256.1,147.8) v1(256.1,146.9) v1(256.1,52.6) v1(256.1,51.7) v1(256.1,50.8) v1(256.1,49.9) v1(256.2,236.7) v1(256.2,139.7) v1(256.2,42.7) v1(256.68,212.1) v1(256.68,115.1) v1(256.68,18.1) v1(256.8,237.4) v1(256.8,140.4) v1(256.8,43.4) v1(257.95,231.66) v1(257.95,228.86) v1(257.95,134.66) v1(257.95,131.86) v1(257.95,37.66) v1(257.95,34.86)
